# Altium PCB cricket-node-hw__B.PcbDoc (part 1 of 2) (continued)
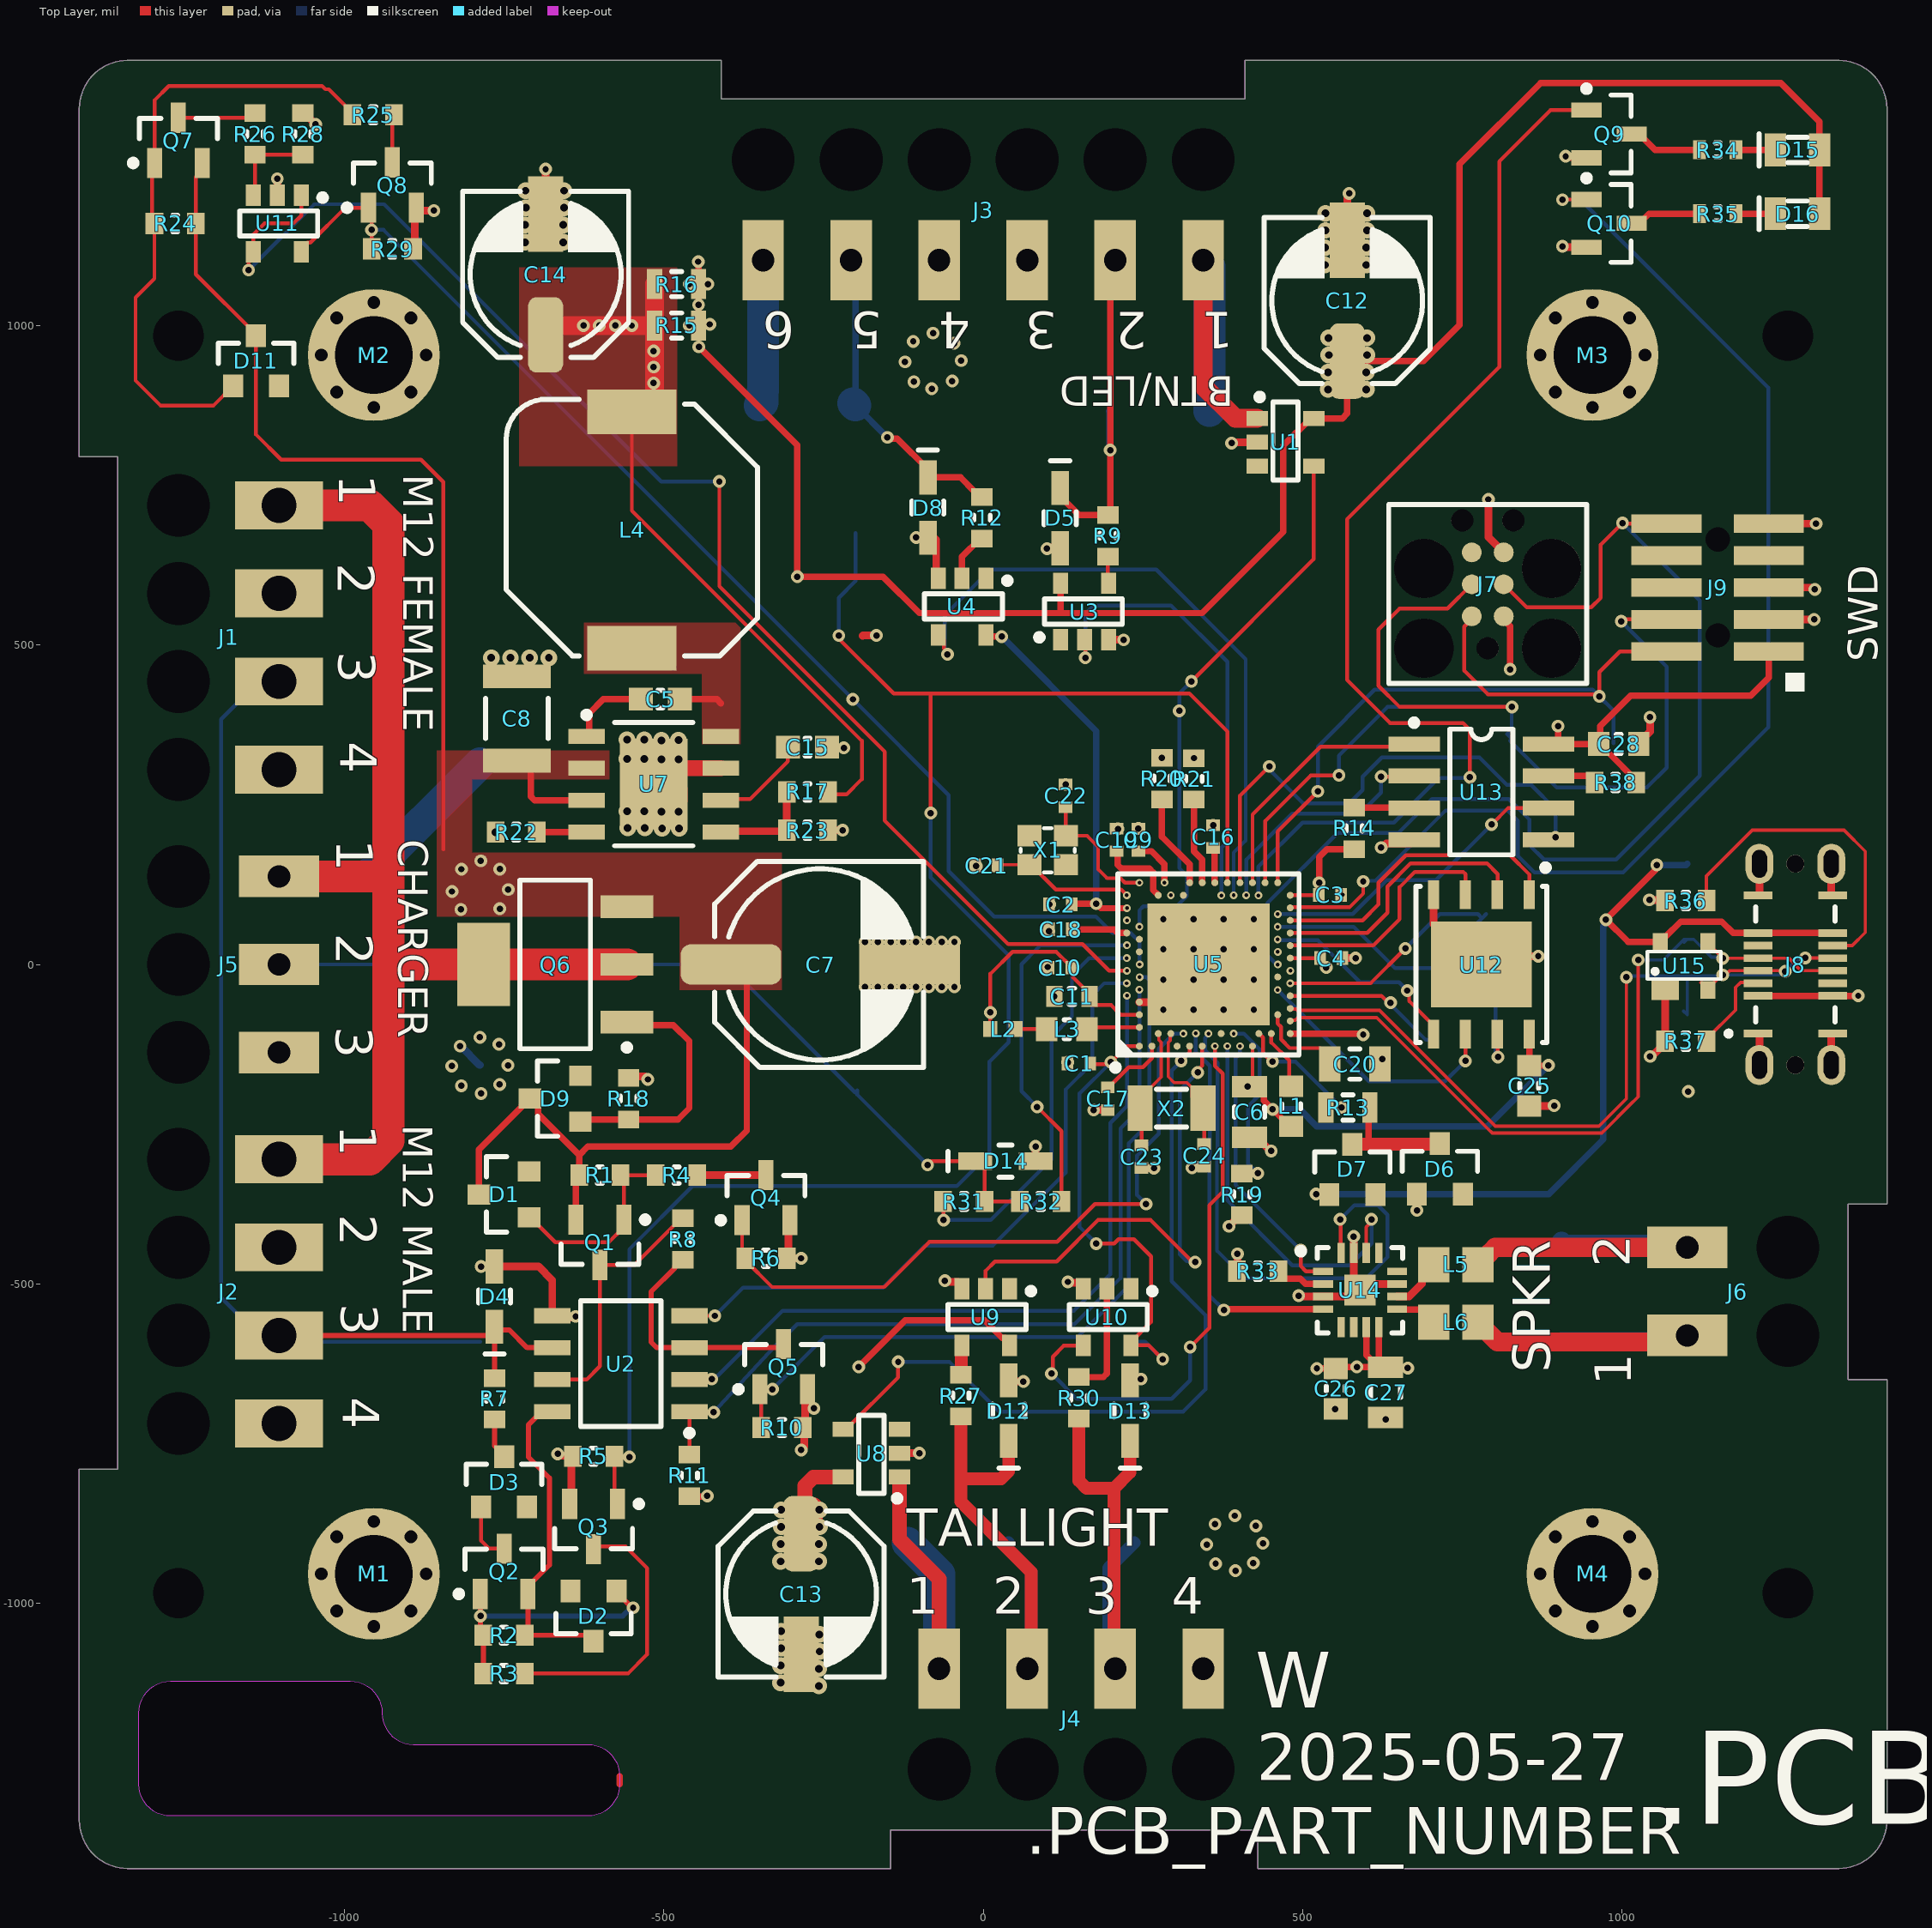
[diagram p0: Top Layer view]
## Part data (continued)
C12 C13 C14: library part EEE-FK1A151P, "CAP ALUM 150UF 10V 20% SMD", ESR (Equivalent Series Resistance)=-, JLCPCB Part #=C264054, Lifetime @ Temp.="2000 Hrs @ 105°C", Manufacturer="Panasonic Electronic Components", Operating Temperature="-55°C ~ 105°C", Package=D, Package / Case="Radial- Can - SMD", Ratings=AEC-Q200, Ripple Current=240mA, Sort Value=150000000, Sort Value Package=D_150000000, Temperature Coefficient="Temperature Coefficient", Tolerance=±20%, Value_Voltage="150µF  10V", Voltage Rating=10V, Capacitance=150µF, Category=Capacitors, ComponentLink1Description="Internal Datasheet", ComponentLink1URL=http://industrial.panasonic.com/www-cgi/jvcr13pz.cgi?E+PZ+4+ABA0120+EEEFK1A151P+8+WW, ComponentLink2Description="External Datasheet", ComponentLink2URL=http://industrial.panasonic.com/www-cgi/jvcr13pz.cgi?E+PZ+4+ABA0120+EEEFK1A151P+8+WW, Diameter=6.30, Features="General Purpose", Height=5.80, Height - Seated (Max)="0.228\" (5.80mm)", id=1585, Impedance="360 mOhm", is_external=1, Lead Spacing=-, Manufacturer Part Number=EEE-FK1A151P, Mounting Type="Surface Mount", Packaging="Cut Tape (CT)", Size / Dimension="0.248\" Dia (6.30mm)", Surface Mount Land Size="0.260\" L x 0.260\" W (6.60mm x 6.60mm)"
C15: library part GCM188R72A103KA37J, "CAP CER 10000PF 100V X7R 0603", JLCPCB Part #=C2167085, Manufacturer="Murata Electronics", Operating Temperature="-55°C ~ 125°C", Package=0603, Ratings=AEC-Q200, Temperature Coefficient=X7R, Tolerance=±10%, Voltage - Rated=100V, Category=Capacitors, id=2095, is_external=1, Manufacturer Part Number=GCM188R72A103KA37J, Substitution Notes="10000pF , 100V , ±10% , X7R , -55°C ~ 125°C , AEC-Q200 , 0603", Thickness (Max)=0.90MM
C16: library part GCM1555C1H102FA16D, "CAP CER 1000PF 50V C0G/NP0 0402", Manufacturer="Murata Electronics", Operating Temperature="-55°C ~ 125°C", Package=0402, Ratings=AEC-Q200, Supplier Part Number 1=490-16461-1-ND, Temperature Coefficient="C0G, NP0", Tolerance=±1%, Voltage - Rated=50V, Category=Capacitors, ComponentLink1Description="Datasheet (Internal)", ComponentLink1URL=https://search.murata.co.jp/Ceramy/image/img/A01X/G101/ENG/GCM1555C1H102FA16-01.pdf, ComponentLink2Description="Datasheet (External)", ComponentLink2URL=https://search.murata.co.jp/Ceramy/image/img/A01X/G101/ENG/GCM1555C1H102FA16-01.pdf, Manufacturer Part Number=GCM1555C1H102FA16D, Substitution Notes="1000pF , 50V , ±1% , C0G, NP0 , -55°C ~ 125°C , AEC-Q200 , 0402", Supplier 1=Digikey, Thickness (Max)=0.55MM
C19: library part GCM1555C1H101FA16D, "CAP CER 100PF 50V C0G/NP0 0402", JLCPCB Part #=C2941926, Manufacturer="Murata Electronics", Operating Temperature="-55°C ~ 125°C", Package=0402, Ratings=AEC-Q200, Supplier Part Number 1=490-14349-1-ND, Temperature Coefficient="C0G, NP0", Tolerance=±1%, Voltage - Rated=50V, Category=Capacitors, ComponentLink1Description="Datasheet (Internal)", ComponentLink1URL=https://search.murata.co.jp/Ceramy/image/img/A01X/G101/ENG/GCM1555C1H101FA16-01.pdf, ComponentLink2Description="Datasheet (External)", ComponentLink2URL=https://search.murata.co.jp/Ceramy/image/img/A01X/G101/ENG/GCM1555C1H101FA16-01.pdf, Manufacturer Part Number=GCM1555C1H101FA16D, Substitution Notes="100pF , 50V , ±1% , C0G, NP0 , -55°C ~ 125°C , AEC-Q200 , 0402", Supplier 1=Digikey, Thickness (Max)=0.55MM
C21 C22 C23 C24: library part GCM1555C1H8R0DA16D, "CAP CER 8PF 50V C0G/NP0 0402", JLCPCB Part #=C126517, Manufacturer="Murata Electronics", Operating Temperature="-55°C ~ 125°C", Package=0402, Ratings=AEC-Q200, Supplier Part Number 1=490-13294-1-ND, Temperature Coefficient="C0G, NP0", Tolerance=±0.5pF, Voltage - Rated=50V, Category=Capacitors, ComponentLink1Description="Datasheet (Internal)", ComponentLink1URL=https://www.murata.com/~/media/webrenewal/support/library/catalog/products/capacitor/mlcc/c03e.ashx?la=en-us, ComponentLink2Description="Datasheet (External)", ComponentLink2URL=https://www.murata.com/~/media/webrenewal/support/library/catalog/products/capacitor/mlcc/c03e.ashx?la=en-us, Manufacturer Part Number=GCM1555C1H8R0DA16D, Substitution Notes="8pF , 50V , ±0.5pF , C0G, NP0 , -55°C ~ 125°C , AEC-Q200 , 0402", Supplier 1=Digikey, Thickness (Max)=0.55MM
C25 C26 C28: library part GCJ188R91H104KA01D, "CAP CER 0.1UF 50V X8R 0603", JLCPCB Part #=C437421, Manufacturer="Murata Electronics", Operating Temperature="-55°C ~ 150°C", Package=0603, Ratings=AEC-Q200, Temperature Coefficient=X8R, Tolerance=±10%, Voltage - Rated=50V, Category=Capacitors, id=2218, is_external=1, Manufacturer Part Number=GCJ188R91H104KA01D, Substitution Notes="0.1µF , 50V , ±10% , X8R , -55°C ~ 150°C , AEC-Q200 , 0603", Thickness (Max)=0.90MM
C27: library part GCM21BR71A106KE22K, "CAP CER 10UF 10V X7R 0805", JLCPCB Part #=C2167756, Manufacturer="Murata Electronics", Operating Temperature="-55°C ~ 125°C", Package=0805, Ratings=AEC-Q200, Supplier Part Number 1=490-14531-1-ND, Temperature Coefficient=X7R, Tolerance=±10%, Voltage - Rated=10V, Category=Capacitors, ComponentLink1Description="Datasheet (Internal)", ComponentLink1URL=https://search.murata.co.jp/Ceramy/image/img/A01X/G101/ENG/GCM21BR71A106KE22-01.pdf, ComponentLink2Description="Datasheet (External)", ComponentLink2URL=https://search.murata.co.jp/Ceramy/image/img/A01X/G101/ENG/GCM21BR71A106KE22-01.pdf, id=2281, is_external=1, Manufacturer Part Number=GCM21BR71A106KE22K, Substitution Notes="10µF , 10V , ±10% , X7R , -55°C ~ 125°C , AEC-Q200 , 0805", Supplier 1=Digikey, Thickness (Max)=1.40MM
D1: "DIODE ZENER 12V 300MW SOT23-3", Current - Reverse Leakage @ Vr="100nA @ 8V", JLCPCB Part #=C85186, Manufacturer="Diodes Inc", Operating Temperature="-65°C ~ 150°C", Package="TO-236-3- SC-59- SOT-23-3", Power - Max=300mW, Supplier Device Package=SOT-23-3, Supplier Part Number 1=BZX84C12-FDICT-ND, Tolerance=±5%, Voltage - Forward (Vf) (Max) @ If="900mV @ 10mA", Voltage - Zener (Nom) (Vz)=12V, cad-reference=BZX84C12-7-F, Category=Diodes, CategorySort=400, ComponentLink1Description="Internal Datasheet", ComponentLink1URL=http://www.diodes.com/datasheets/ds18001.pdf, ComponentLink2Description="External Datasheet", ComponentLink2URL=http://www.diodes.com/datasheets/ds18001.pdf, Diode Suffix=1A_3C, Impedance (Max) (Zzt)="25 Ohm", kicad-footprint=D_SOT-23-3:D_SOT-23-3_P, kicad-symbol=Diode:DZ_1A_3C, Manufacturer Part Number=BZX84C12-7-F, Mounting Type="Surface Mount", Num Pins=3, Packaging="Cut Tape (CT)", SortValue=BZX84C12-7-F, Supplier 1=Digi-Key
D2 D9 D11: "DIODE ZENER 16V 300MW SOT23", Current - Reverse Leakage @ Vr="100nA @ 11.2V", JLCPCB Part #=C968217, Manufacturer="Diodes Inc", Operating Temperature="-65°C ~ 150°C", Package="TO-236-3- SC-59- SOT-23-3", Power - Max=300mW, Supplier Device Package=SOT-23-3, Supplier Part Number 1=BZX84B16-FDICT-ND, Tolerance=±2%, Voltage - Forward (Vf) (Max) @ If="900mV @ 10mA", Voltage - Zener (Nom) (Vz)=16V, cad-reference=BZX84B16-7-F, Category=Diodes, CategorySort=400, ComponentLink1Description="Internal Datasheet", ComponentLink1URL=http://www.diodes.com/datasheets/BZX84Bxx(x).pdf, ComponentLink2Description="External Datasheet", ComponentLink2URL=http://www.diodes.com/datasheets/BZX84Bxx(x).pdf, Diode Suffix=1A_3C, Impedance (Max) (Zzt)="40 Ohm", kicad-footprint=D_SOT-23-3:D_SOT-23-3_P, kicad-symbol=Diode:DZ_1A_3C, Manufacturer Part Number=BZX84B16-7-F, Mounting Type="Surface Mount", Num Pins=3, Packaging="Cut Tape (CT)", SortValue=BZX84B16-7-F, Supplier 1=Digi-Key
D3 D6 D7: "DIODE SWITCHING 75V 200MA SOT23", Capacitance @ Vr- F="2pF @ 0V- 1MHz", Current - Average Rectified (Io)=200mA, Current - Reverse Leakage @ Vr="1µA @ 75V", JLCPCB Part #=C69162, Manufacturer="Diodes Inc", Package="TO-236-3- SC-59- SOT-23-3", Supplier Device Package=SOT-23-3, Supplier Part Number 1=BAS16-FDICT-ND, Voltage - DC Reverse (Vr) (Max)=75V, Voltage - Forward (Vf) (Max) @ If="1.25V @ 150mA", Category=Diodes, CategorySort=400, ComponentLink1Description="Internal Datasheet", ComponentLink1URL=http://www.diodes.com/datasheets/ds12003.pdf, ComponentLink2Description="External Datasheet", ComponentLink2URL=http://www.diodes.com/datasheets/ds12003.pdf, Diode Suffix=1A_3C, Diode Type=Standard, id=3104, is_external=1, Manufacturer Part Number=BAS16-7-F, Mounting Type="Surface Mount", Num Pins=3, Packaging="Cut Tape (CT)", Reverse Recovery Time (trr)=4ns, SortValue=BAS16-7-F, Speed="Small Signal =< 200mA (Io)- Any Speed", Supplier 1=Digi-Key
D4: "TVS DIODE 24VWM 42VC SOD323", JLCPCB Part #=C503381, Manufacturer=Nexperia, id=3715, is_external=1, Manufacturer Part Number=PESD1IVN24-AX
D5 D8 D12 D13 D14: "TVS DIODE 5VWM 14VC SOD323", JLCPCB Part #=C19224, Manufacturer=Nexperia, id=3718, is_external=1, Manufacturer Part Number=PESD5V0S1BA-115
D15: "0805 Red 630nm LED Indication - Discrete 1.95V 0805 (2012 Metric)", Manufacturer=Kingbright, cad-reference=APT2012SURCK, kicad-footprint=LED-0805-RED:LED-0805-RED, kicad-symbol=LED-RED:LED-RED, Manufacturer Part Number=APT2012SURCK
D16: "0805 Green 570nm LED Indication - Discrete 2.1V 0805 (2012 Metric)", Manufacturer=Kingbright, cad-reference=APT2012CGCK, kicad-footprint=LED-0805-GREEN:LED-0805-GREEN, kicad-symbol=LED-GREEN:LED-GREEN, Manufacturer Part Number=APT2012CGCK
J1 J2: Internal Part Number=nan, Manufacturer=Wavenumber, cad-reference=WIREPAD-18AWG-4X-3.5MM, Flags=NO_BOM, Manufacturer Part Number=WIREPAD-18AWG-4X-3.5MM
J3 J4 J5 J6: Manufacturer=Wavenumber, Flags=NO_BOM
  J3: cad-reference=WIREPAD-22AWG-6X-3.5MM, Manufacturer Part Number=WIREPAD-22AWG-6X-3.5MM
  J4: cad-reference=WIREPAD-22AWG-4X-3.5MM, Manufacturer Part Number=WIREPAD-22AWG-4X-3.5MM
  J5: cad-reference=WIREPAD-22AWG-3X-3.5MM, Manufacturer Part Number=WIREPAD-22AWG-3X-3.5MM
  J6: cad-reference=WIREPAD-22AWG-2X-3.5MM, Manufacturer Part Number=WIREPAD-22AWG-2X-3.5MM
J7: "Tag Connect Pads for ARM SWD Debugging", Manufacturer=Wavenumber, cad-reference=TAG-CONNECT-SWD, Flags=NO_BOM, Manufacturer Part Number=TAG-CONNECT-SWD
J8: "USB 2.0 TYPE-C RECPT VERT SMT", JLCPCB Part #=C5291559, Manufacturer=GCT, cad-reference=USB4145-03-0230-C, kicad-footprint=USB4145-03-0230-C:USB4145-03-0230-C, kicad-symbol=USB4145-03-0230-C:USB4145-03-0230-C, Manufacturer Part Number=USB4145-03-0230-C
J9: "Connector Header Surface Mount 10 position 0.050\" (1.27mm)", JLCPCB Part #=C598540, Manufacturer="Amphenol ICC", id=2782, is_external=1, Manufacturer Part Number=20021121-00010T4LF
L1 L3: library part MLZ1608M100WTD25, "10uH ±20% 90mA 1.05Ω 0603 Inductors (SMD)", JLCPCB Part #=C2047264, Manufacturer=TDK, cad-reference=MLZ1608M100WTD25, Category=Inductors, CategorySort=300, kicad-footprint=C0603_0.90MM_MD:C0603_0.90MM_MD, kicad-symbol=Inductor:Inductor, Manufacturer Part Number=MLZ1608M100WTD25
L2: library part LQG15HS15NJ02D, "450mA 15nH ±5% 320mΩ 0402 Inductors (SMD) ROHS", JLCPCB Part #=C86059, Manufacturer=Murata, cad-reference=LQG15HS15NJ02D, Category=Inductors, CategorySort=300, kicad-footprint=C0402_0.55MM_MD:C0402_0.55MM_MD, kicad-symbol=Inductor:Inductor, Manufacturer Part Number=LQG15HS15NJ02D
L4: library part CDRH103RNP-6R8NC-B, "3.6A 6.8uH ±30% 3.84A SMD,10.2x10mm Power Inductors ROHS", Inductance (uH)=6.8, JLCPCB Part #=C167253, Manufacturer=Sumida, Sort Value Package=MSS1038_68, Tolerance=20%, Category=Inductors, CategorySort=300, DCR Max (Ohms)=35, Height (mm)=2.8, id=9209, is_external=1, Manufacturer Part Number=CDRH103RNP-6R8NC-B
L5 L6: "40mΩ  3A ±25% 220Ω@100MHz 0805 Ferrite Beads ROHS", JLCPCB Part #=C76818, Manufacturer="TDK Corporation", Max Current=3A, Tolerance=±25%, cad-reference=MPZ2012S221AT000, Category=Inductors, CategorySort=300, kicad-footprint=L_0805:L0805_1.45MM_MD, kicad-symbol=Inductor:L_2P, Manufacturer Part Number=MPZ2012S221AT000
M1 M2 M3 M4: "M2.5 screw hole ISO standard 3.1mm clearance 8 conductivity holes 5.25mm pad size", Manufacturer=Wavenumber, Category="Screw Mount", Flags=no-bom, id=4097, is_external=0, Manufacturer Part Number=M2.5
Q1 Q2 Q7: "MOSFET P-CH 50V 130MA SOT23-3", JLCPCB Part #=C85202, Manufacturer="Diodes Incorporated", id=9187, is_external=1, Manufacturer Part Number=BSS84-7-F
Q3 Q4 Q8 Q9 Q10: "MOSFET N-CH 60V 0.36A SOT-23", JLCPCB Part #=C81488, Manufacturer=Nexperia, id=9174, is_external=1, Manufacturer Part Number=2N7002P,215
Q5: "N-Channel MOSFET, Logic Level Enhancement Mode, 50V 0.22A, 1.6Ω", JLCPCB Part #=C255592, Manufacturer=OnSemi, id=9184, is_external=1, Manufacturer Part Number=BSS138K
Q6: "MOSFET P-CH 40V 6.4A SOT223", JLCPCB Part #=C141324, Manufacturer="Diodes Incorporated", cad-reference=ZXMP4A16GTA, kicad-footprint=SOT223:SOT223, kicad-symbol=MOSFET-P-CH-1G2D4D3S:MOSFET-P-CH-1G2D4D3S, Manufacturer Part Number=ZXMP4A16GTA
R1 R2 R8 R14 R19 R20 R21 R24 R26 R31 R38: library part ERJ-3EKF1003V, "RES 100K OHM 1/10W 1% 0603 SMD", JLCPCB Part #=C189597, Limiting Element Voltage=75, Manufacturer="Panasonic Electronic Components", Maximum Overload Voltage=150, Maximum Working Voltage=75.0V, Package="0603 (1608 Metric)", Package Power="0603  (0.1W)", Power (Watts)="0.1W- 1/10W", Ratings=AEC-Q200, Resistance (Ohms)=100k, Sort Value=100000, Sort Value Package=603_100000, Supplier Package=0603, Temperature Coefficient=±100ppm/°C, Tolerance=±1%, Category=Resistors, Composition="Thick Film", Features=-, Height=0.55MM, is_external=1, Manufacturer 1="Panasonic Electronic Components", Manufacturer Part Number=ERJ-3EKF1003V, Manufacturer Part Number 1=ERJ-3EKF1003V, Number of Terminations=2, Packaging="Cut Tape (CT)", Substitution Notes="100k , ±1% , 0603 , AEC-Q200"
  R1 R2 R14 R19 R20 R21 R24 R26 R31 R38: id=5044
  R8: id=5026, Size / Dimension="0.063\" L x 0.031\" W (1.60mm x 0.80mm)"
R3 R4 R11 R18 R25 R28: library part ERJ-3EKF1002V, "RES 10K OHM 1/10W 1% 0603 SMD", JLCPCB Part #=C191124, Limiting Element Voltage=75, Manufacturer="Panasonic Electronic Components", Maximum Overload Voltage=150, Maximum Working Voltage=31.6V, Package="0603 (1608 Metric)", Package Power="0603  (0.1W)", Power (Watts)="0.1W- 1/10W", Ratings=AEC-Q200, Resistance (Ohms)=10k, Sort Value=10000, Sort Value Package=603_10000, Supplier Package=0603, Temperature Coefficient=±100ppm/°C, Tolerance=±1%, Category=Resistors, Composition="Thick Film", Features=-, Height=0.55MM, id=5025, is_external=1, Manufacturer 1="Panasonic Electronic Components", Manufacturer Part Number=ERJ-3EKF1002V, Manufacturer Part Number 1=ERJ-3EKF1002V, Number of Terminations=2, Packaging="Cut Tape (CT)", Size / Dimension="0.063\" L x 0.031\" W (1.60mm x 0.80mm)", Substitution Notes="10k , ±1% , 0603 , AEC-Q200"
R5 R6 R10 R29: library part ERJ-3EKF1004V, "RES 1M OHM 1/10W 1% 0603 SMD", JLCPCB Part #=C105578, Limiting Element Voltage=75, Manufacturer="Panasonic Electronic Components", Maximum Overload Voltage=150, Maximum Working Voltage=75.0V, Package="0603 (1608 Metric)", Package Power="0603  (0.1W)", Power (Watts)="0.1W- 1/10W", Ratings=AEC-Q200, Resistance (Ohms)=1M, Sort Value=1000000, Sort Value Package=603_1000000, Supplier Package=0603, Temperature Coefficient=±100ppm/°C, Tolerance=±1%, Category=Resistors, Composition="Thick Film", Features=-, Height=0.55MM, id=5045, is_external=1, Manufacturer 1="Panasonic Electronic Components", Manufacturer Part Number=ERJ-3EKF1004V, Manufacturer Part Number 1=ERJ-3EKF1004V, Number of Terminations=2, Packaging="Cut Tape (CT)", Substitution Notes="1M , ±1% , 0603 , AEC-Q200"
R7: library part ERJ-3EKF1001V, "RES 1K OHM 1/10W 1% 0603 SMD", JLCPCB Part #=C118155, Limiting Element Voltage=75, Manufacturer="Panasonic Electronic Components", Maximum Overload Voltage=150, Maximum Working Voltage=10.0V, Package="0603 (1608 Metric)", Package Power="0603  (0.1W)", Power (Watts)="0.1W- 1/10W", Ratings=AEC-Q200, Resistance (Ohms)=1k, Sort Value=1000, Sort Value Package=603_1000, Supplier Package=0603, Temperature Coefficient=±100ppm/°C, Tolerance=±1%, Category=Resistors, Composition="Thick Film", Features=-, Height=0.55MM, id=5024, is_external=1, Manufacturer 1="Panasonic Electronic Components", Manufacturer Part Number=ERJ-3EKF1001V, Manufacturer Part Number 1=ERJ-3EKF1001V, Number of Terminations=2, Packaging="Cut Tape (CT)", Size / Dimension="0.063\" L x 0.031\" W (1.60mm x 0.80mm)", Substitution Notes="1k , ±1% , 0603 , AEC-Q200"
R9 R12 R27 R30 R32: library part ERJ-3EKF1000V, "RES 100 OHM 1/10W 1% 0603 SMD", JLCPCB Part #=C193336, Limiting Element Voltage=75, Manufacturer="Panasonic Electronic Components", Maximum Overload Voltage=150, Maximum Working Voltage=3.2V, Package="0603 (1608 Metric)", Package Power="0603  (0.1W)", Power (Watts)="0.1W- 1/10W", Ratings=AEC-Q200, Resistance (Ohms)=100, Sort Value Package=603_100, Supplier Package=0603, Supplier Part Number 1=P100HCT-ND, Temperature Coefficient=±100ppm/°C, Tolerance=±1%, Category=Resistors, ComponentLink1Description="Internal Datasheet", ComponentLink1URL="datasheets\Panasonic Electronic Components\AOA0000CE2.pdf", ComponentLink2Description="External Datasheet", ComponentLink2URL=http://industrial.panasonic.com/www-data/pdf/AOA0000/AOA0000CE2.pdf, Composition="Thick Film", Features=-, Height=0.55MM, id=5023, is_external=1, Manufacturer 1="Panasonic Electronic Components", Manufacturer Part Number=ERJ-3EKF1000V, Manufacturer Part Number 1=ERJ-3EKF1000V, Number of Terminations=2, Packaging="Cut Tape (CT)", Size / Dimension="0.063\" L x 0.031\" W (1.60mm x 0.80mm)", Sort Value=100, Substitution Notes="100 , ±1% , 0603 , AEC-Q200", Supplier 1=Digi-Key
R13 R15 R16: library part ERJ-6GEY0R00V, "RES 0.0 OHM 1/8W JUMP 0805 SMD", JLCPCB Part #=C96345, Limiting Element Voltage=150, Manufacturer="Panasonic Electronic Components", Maximum Overload Voltage=200, Maximum Working Voltage=0.0V, Package="0805 (2012 Metric)", Package Power="0805  (0.125W)", Power (Watts)="0.125W- 1/8W", Ratings=AEC-Q200, Resistance (Ohms)=0, Sort Value Package=805_0, Supplier Package=805, Supplier Part Number 1=P0.0ACT-ND, Temperature Coefficient=-, Tolerance=Jumper, cad-reference=ERJ-6GEY0R00V, Category=Resistors, Composition="Thick Film", Features=-, Height=0.70MM, kicad-footprint=R0805_0.70MM_HD:R0805_0.70MM_HD, kicad-symbol=Resistor:R_2P, Manufacturer 1="Panasonic Electronic Components", Manufacturer Part Number=ERJ-6GEY0R00V, Manufacturer Part Number 1=ERJ-6GEY0R00V, Number of Terminations=2, Sort Value=0, Substitution Notes="0 , Jumper , 0805 , AEC-Q200", Supplier 1=Digi-Key
R17: library part ERJ-3EKF5233V, "RES 523K OHM 1/10W 1% 0603 SMD", JLCPCB Part #=C185324, Limiting Element Voltage=75, Manufacturer="Panasonic Electronic Components", Maximum Overload Voltage=150, Maximum Working Voltage=75.0V, Package="0603 (1608 Metric)", Package Power="0603  (0.1W)", Power (Watts)="0.1W- 1/10W", Ratings=AEC-Q200, Resistance (Ohms)=523k, Sort Value=523000, Sort Value Package=603_523000, Supplier Package=0603, Temperature Coefficient=±100ppm/°C, Tolerance=±1%, Category=Resistors, Composition="Thick Film", Features=-, Height=0.55MM, id=5445, is_external=1, Manufacturer 1="Panasonic Electronic Components", Manufacturer Part Number=ERJ-3EKF5233V, Manufacturer Part Number 1=ERJ-3EKF5233V, Number of Terminations=2, Packaging="Cut Tape (CT)", Substitution Notes="523k , ±1% , 0603 , AEC-Q200"
R22: library part ERJ-3EKF4992V, "RES 49.9K OHM 1/10W 1% 0603 SMD", JLCPCB Part #=ERJ3EKF4992V, Limiting Element Voltage=75, Manufacturer="Panasonic Electronic Components", Maximum Overload Voltage=150, Maximum Working Voltage=70.6V, Package="0603 (1608 Metric)", Package Power="0603  (0.1W)", Power (Watts)="0.1W- 1/10W", Ratings=AEC-Q200, Resistance (Ohms)=49.9k, Sort Value=49900, Sort Value Package=603_49900, Supplier Package=0603, Temperature Coefficient=±100ppm/°C, Tolerance=±1%, Category=Resistors, Composition="Thick Film", Features=-, Height=0.55MM, id=5429, is_external=1, Manufacturer 1="Panasonic Electronic Components", Manufacturer Part Number=ERJ-3EKF4992V, Manufacturer Part Number 1=ERJ-3EKF4992V, Number of Terminations=2, Packaging="Cut Tape (CT)", Substitution Notes="49.9k , ±1% , 0603 , AEC-Q200"
R23: library part ERJ-3EKF1003V, "RES 100K OHM 1/10W 1% 0603 SMD", JLCPCB Part #=C189597, Limiting Element Voltage=75, Manufacturer="Panasonic Electronic Components", Maximum Overload Voltage=150, Maximum Working Voltage=75.0V, Package="0603 (1608 Metric)", Package Power="0603  (0.1W)", Power (Watts)="0.1W- 1/10W", Ratings=AEC-Q200, Sort Value=100000, Sort Value Package=603_100000, Supplier Package=0603, Supplier Part Number 1=P100KHCT-ND, Temperature Coefficient=±100ppm/°C, Tolerance=±1%, Category=Resistors, ComponentLink1Description="Internal Datasheet", ComponentLink1URL="datasheets\Panasonic Electronic Components\AOA0000CE2.pdf", ComponentLink2Description="External Datasheet", ComponentLink2URL=http://industrial.panasonic.com/www-data/pdf/AOA0000/AOA0000CE2.pdf, Composition="Thick Film", Features=-, Height=0.55MM, id=5026, is_external=1, Manufacturer 1="Panasonic Electronic Components", Manufacturer Part Number=ERJ-3EKF1003V, Manufacturer Part Number 1=ERJ-3EKF1003V, Number of Terminations=2, Packaging="Cut Tape (CT)", Resistance (Ohms)=100k, Size / Dimension="0.063\" L x 0.031\" W (1.60mm x 0.80mm)", Substitution Notes="100k , ±1% , 0603 , AEC-Q200", Supplier 1=Digi-Key
R33: library part ERJ-3EKF1003V, "RES 100K OHM 1/10W 1% 0603 SMD", JLCPCB Part #=C189597, Limiting Element Voltage=75, Manufacturer="Panasonic Electronic Components", Maximum Overload Voltage=150, Maximum Working Voltage=75.0V, Package="0603 (1608 Metric)", Package Power="0603  (0.1W)", Power (Watts)="0.1W- 1/10W", Ratings=AEC-Q200, Resistance (Ohms)=100k, Sort Value=100000, Sort Value Package=603_100000, Supplier Package=0603, Supplier Part Number 1=P100KHCT-ND, Temperature Coefficient=±100ppm/°C, Tolerance=±1%, Category=Resistors, ComponentLink1Description="Internal Datasheet", ComponentLink1URL="datasheets\Panasonic Electronic Components\AOA0000CE2.pdf", ComponentLink2Description="External Datasheet", ComponentLink2URL=http://industrial.panasonic.com/www-data/pdf/AOA0000/AOA0000CE2.pdf, Composition="Thick Film", Features=-, Height=0.55MM, id=5026, is_external=1, Manufacturer 1="Panasonic Electronic Components", Manufacturer Part Number=ERJ-3EKF1003V, Manufacturer Part Number 1=ERJ-3EKF1003V, Number of Terminations=2, Packaging="Cut Tape (CT)", Size / Dimension="0.063\" L x 0.031\" W (1.60mm x 0.80mm)", Substitution Notes="100k , ±1% , 0603 , AEC-Q200", Supplier 1=Digi-Key
R34 R35: library part ERJ-3EKF3300V, "RES 330 OHM 1/10W 1% 0603 SMD", Limiting Element Voltage=75, Manufacturer="Panasonic Electronic Components", Maximum Overload Voltage=150, Maximum Working Voltage=5.7V, Package="0603 (1608 Metric)", Package Power="0603  (0.1W)", Power (Watts)="0.1W- 1/10W", Ratings=AEC-Q200, Resistance (Ohms)=330, Sort Value=330.0, Sort Value Package=603_330, Supplier Package=603, Temperature Coefficient=±100ppm/°C, Tolerance=±1%, cad-reference=ERJ-3EKF3300V, Category=Resistors, Composition="Thick Film", Features=-, Height=0.55MM, kicad-footprint=R0603_0.55MM_HD:R0603_0.55MM_HD, kicad-symbol=Resistor:R_2P, Manufacturer 1="Panasonic Electronic Components", Manufacturer Part Number=ERJ-3EKF3300V, Manufacturer Part Number 1=ERJ-3EKF3300V, Number of Terminations=2, Packaging="Cut Tape (CT)", Substitution Notes="330 , ±1% , 0603 , AEC-Q200"
R36 R37: library part ERJ-3EKF5101V, "RES 5.1K OHM 1/10W 1% 0603 SMD", JLCPCB Part #=C123727, Limiting Element Voltage=75, Manufacturer="Panasonic Electronic Components", Maximum Overload Voltage=150, Maximum Working Voltage=22.6V, Package="0603 (1608 Metric)", Package Power="0603  (0.1W)", Power (Watts)="0.1W- 1/10W", Ratings=AEC-Q200, Resistance (Ohms)=5.1k, Sort Value=5100, Sort Value Package=603_5100, Supplier Package=0603, Temperature Coefficient=±100ppm/°C, Tolerance=±1%, Category=Resistors, Composition="Thick Film", Features=-, Height=0.55MM, id=5433, is_external=1, Manufacturer 1="Panasonic Electronic Components", Manufacturer Part Number=ERJ-3EKF5101V, Manufacturer Part Number 1=ERJ-3EKF5101V, Number of Terminations=2, Packaging="Cut Tape (CT)", Substitution Notes="5.1k , ±1% , 0603 , AEC-Q200"
TP1 TP2 TP3 TP4 TP5 TP6 TP7 TP8 TP9 TP10 TP11 TP12 TP13 TP14 TP15 TP16 TP17 TP18 TP19 TP20 TP21 TP22 TP23 TP24 TP25 TP26 TP27: library part SMT_TP-1MM, Manufacturer=Wavenumber, cad-reference=SMT_TP-1MM, Flags=NO_BOM, kicad-footprint=SMT_TP-1MM:SMT_TP-1MM, kicad-symbol=SMT_TEST:SMT_TEST, Manufacturer Part Number=SMT_TP-1MM
U1 U8: "2.7V~5.5V 50mΩ 2.5A 1 SOT-25  Power Distribution Switches ROHS", JLCPCB Part #=C3001659, Manufacturer="Diodes Incorporated", cad-reference=AP22804AW5-7, Manufacturer Part Number=AP22804AW5-7
U2: "1 Transceiver Full Duplex 1 SOIC-8 LIN Transceivers ROHS", JLCPCB Part #=C128810, Manufacturer=NXP, id=3710, is_external=1, Manufacturer Part Number=TJA1021T/20/CM,118
U3 U4 U9 U10: "Buffer, Non-Inverting 1 Element 1 Bit per Element Push-Pull Output SOT-23-5", Internal Part Number=NAN, JLCPCB Part #=C100024, Manufacturer="Texas Instruments", Flags=NAN, Manufacturer Part Number=SN74LV1T34DBVR
U5: "Cortex M4 MCU IC RF TXRX+MCU 802.15.4 73QFN", JLCPCB Part #=C190794, Manufacturer=Nordic, Manufacturer Part Number=NRF52840-QIAA-R
U7: "3.8V to 40V Input, 3.5A Low IQ Synchronous Buck Converter", JLCPCB Part #=C2071665, Manufacturer="Diodes Inc", cad-reference=AP64352SP-13, Category=ic, kicad-footprint=SO8-EP:SO8-EP, kicad-symbol=AP64352SP-13:AP64352SP-13, Manufacturer Part Number=AP64352SP-13, table=regulator_switching
U11: "Single 1pA 2V/us 1.9MHz SOT-25 Operational Amplifier ROHS", JLCPCB Part #=C150498, Manufacturer="Diodes Inc", id=3706, is_external=1, Manufacturer Part Number=TLV271CW5-7
U12: "Ultra low power, 64M-bit, serial multi I/O flash memory", JLCPCB Part #=C2802849, Manufacturer=Macronix, Manufacturer Part Number=MX25R6435FZNIL0
U13: "16Kbit 20MHz SPI SOIC-8 FRAM ROHS", Internal Part Number=nan, JLCPCB Part #=C466849, Manufacturer="Infineon Technologies", cad-reference=FM25L16B-GTR, fram#csv.Flags_1=nan, kicad-footprint="SOIC 8:SOIC 8", kicad-symbol=FM25-FRAM:FM25-FRAM, Manufacturer Part Number=FM25L16B-GTR
U14: "Monaural 3.2Wx2@4O TQFN-16-EP(3x3) Audio Amplifiers ROHS", JLCPCB Part #=C910544, Manufacturer=Maxim, Package="TQFN-16 Maxim", Availability=Unavailable, id=9195, is_external=1, Manufacturer Part Number=MAX98357AETE+T, Price=None, SnapEDA_Link=https://www.snapeda.com/parts/MAX98357AETE%2BT/Maxim%20Integrated/view-part/48842/?ref=snap
U15: "6V Unidirectional 5.5V SOT-143 ESD and Surge Protection (TVS/ESD) ROHS", JLCPCB Part #=C12333, Manufacturer=Nexperia, id=3714, is_external=1, Manufacturer Part Number=PRTR5V0U2X,215
X1: library part ECS-320-8-37B-CKY-TR, "32MHz 8pF ±10ppm SMD2016-4P", JLCPCB Part #=C2636238, Manufacturer=ECS, Package Power="PACKAGE (POWER)", cad-reference=ECS-320-8-37B-CKY-TR, Category=crystals/smt, kicad-footprint=XTAL_2016:XTAL_2016, kicad-symbol=Crystal:CRYSTAL-4P--1-3, Manufacturer Part Number=ECS-320-8-37B-CKY-TR
X2: library part NX3215SA-32.768K-STD-MUA-9, "32.768kHz 9pF ±20ppm SMD3215-2P", JLCPCB Part #=C519280, Manufacturer=NDK, Package Power="PACKAGE (POWER)", cad-reference=NX3215SA-32.768K-STD-MUA-9, Category=crystals/smt, kicad-footprint=XTAL_3215:XTAL_3215, kicad-symbol=Crystal:CRYSTAL-2P--1-2, Manufacturer Part Number=NX3215SA-32.768K-STD-MUA-9

## Free pads (board coordinates)
  rect 0x0 hole 78.74 unplated: G1(-1259.84,-984.25) G1(-1259.84,984.25) G1(1259.84,-984.25) G1(1259.84,984.25)

## Via types
v1: diameter 20, hole 10, Top Layer to Bottom Layer, tented both sides, 208 vias
v2: diameter 26, hole 12, Top Layer to Bottom Layer, tented both sides, 61 vias
v3: diameter 12, hole 6, Top Layer to Bottom Layer, tented both sides, 35 vias
v4: diameter 19.68, hole 9.84, Top Layer to Bottom Layer, tented both sides, 16 vias

## Nets (pads, with @x,y where several pads share a name; then routed paths per layer and width w, separated by ;. In a path a pad name is that pad's centre, name@x,y a point inside that pad or via, vN(x,y) a via of type N, cw(c..) or ccw(c..) an arc to the next point about the centre after c; other vN are vias at no path point)
+5v0: C12.1 C13.1 C26.2 C27.2 D6.1 D15.A D16.A J3.6 R15.2 R16.2 TP18.1 U1.5 U3.5 U8.5 U9.5 U14.7 U14.8 | length 5421.4
  Top Layer w10: v1(-446,1100) -445.55,1099.55 R16.2@-445.55,1065 R15.2@-445.55,1000 ; v1(-445.05,966.78) -291,812.73 v1(-291,607) -157,607 -100,550 121.47,550 ; v1(-195,-630) -121.98,-556.98 2.21,-556.98 29.61,-584.37 34.53,-584.37 41.34,-591.18 U9.5@41.34,-596.1 ; U3.5@121.47,596.72 121.47,550 ; v1(522.5,-632.5) C26.2@552,-632.5 554.5,-630 v1(585,-630) 618.54,-630 C27.2@621.05,-632.5 ; U14.7@599.84,-568.07 599.84,-611.3 C27.2@621.05,-632.5 ; U14.8@619.53,-568.07 619.53,-620.16 C27.2@630,-630.63 628.13,-632.5 C27.2@621.05,-632.5 ; v1(679,-385) 678,-384 678,-360.35 D6.1@678.98,-359.37 ; D16.A@1309.45,1175 D15.A@1309.45,1275 1309.45,1283.86 1309.45,1319.55 1249,1380 873,1380 746,1253 746,1001 689.51,944.51 C12.1@570,944.51 570,862.61 562.2,854.8 512.66,854.8 470,812.14 470,677 343,550 121.47,550
  Top Layer w23: v2(-256.35,-853.85) -281.15,-853.85 -279.06,-851.75 -279.06,-815.88 -265.59,-802.4 U8.5@-219.29,-802.4
  Top Layer w30: C13.1@-285,-891.02 -266.3,-872.33 C13.1@-266.3,-849.41
  PWR/SIG w10: v1(-428,1002) -248,1002 ; v1@-195,-625.54 -195,-664.14 -189.14,-670 -64,-670 45,-561 351,-561 422.5,-632.5 v1(522.5,-632.5) ; v1(664.63,-631.72) 664.24,-632.11 522.89,-632.11 v1(522.5,-632.5) ; v1(679,-385) 679,-421 522.5,-577.5 v1(522.5,-632.5)
  Bottom Layer w50: TP18.1@-350,875 -345.22,879.78 -345.22,897.46 -344.49,898.19 J3.6@-344.49,1102.36
  other v1: -460,1000 -445.55,1032.5 -460,1065 -431,1065
  other v2: -317.18,-934.48 -257.18,-934.48 -317.18,-907.48 -257.18,-907.48 -316.18,-880.48 -256.18,-880.48 -316.35,-853.85 540,900 600,900 540,927 600,927 541,954 601,954 540.83,980.63 600.83,980.63
+5v0-CH0: J3.1 TP8.1 U1.1 | length 542.7
  Top Layer w20: J3.1@344.49,1072.36 J3.1@344.49,1102.36
  Top Layer w30: J3.1@344.49,1072.36 344.49,905.51 395.2,854.8 U1.1@429,854.8
  Bottom Layer w20: J3.1@344.49,1102.36 J3.1@354.33,1092.52
  Bottom Layer w50: TP8.1@354.33,866.14 J3.1@354.33,1092.52
+5v0-CH1: J4.1 TP12.1 U8.1 | length 542.8
  Top Layer w23: U8.1@-130.71,-802.4 -130.71,-900.29 -68.9,-962.1 J4.1@-68.9,-1102.36
  Bottom Layer w50: TP12.1@-118.11,-905.51 -68.9,-954.72 J4.1@-68.9,-1102.36
+VBUS: D7.1 J8.A4 J8.A9 J8.B4 J8.B9 TP1.1 U5.AD2 U15.4 | length 2923.4
  Top Layer w10: U5.AD2@480.79,-108.27 593.27,-108.27 v1(595,-110) ; v1(521.37,-359.37) 540.98,-359.37 D7.1@541.98,-360.37 ; v1(1054.74,155.74) 1052.83,153.83 1052.83,147.83 v1(975,70) 1010,35 U15.4@1060,35 1060,36.97 1066.81,43.78 1068.78,43.78 1092,67 1156.38,67 1174.17,49.21 J8.A9@1213.19,49.21 J8.B4@1330.12,49.21 ; J8.A4@1213.19,-49.21 J8.B9@1330.12,-49.21 1365.79,-49.21 1366,-49 v1(1370,-49)
  PWR/SIG w10: v1(595,-110) 650,-110 850,-310 935,-310 988.96,-256.04 988.96,-90 ; v1(975,70) 960,55 960,-61.04 988.96,-90 ; v1(1370,-49) 1329,-90 988.96,-90
  Bottom Layer w10: v1(521.37,-359.37) 885.63,-359.37 971,-274 971,59.14 973.09,61.23 973.09,68.09 v1(975,70) ; v1(1054.74,155.74) 1100.62,155.74 TP1.1@1102.36,157.48